# Altium PCB BGA_faser_v2.PcbDoc (part 4 of 5)
Units mil, origin at the board's own origin, x right, y up, seen from the top; angles counter-clockwise.
Board outline 2637.8 x 3937.01 mil, 6 copper layers (Top Layer, GND1, Layer 3, PWR, GND2, Bottom Layer), stack 32.112 mil thick; 367 components, 429 nets, 2041 pads, 1008 vias.
Unrouted connection lines stored in the file: 107.
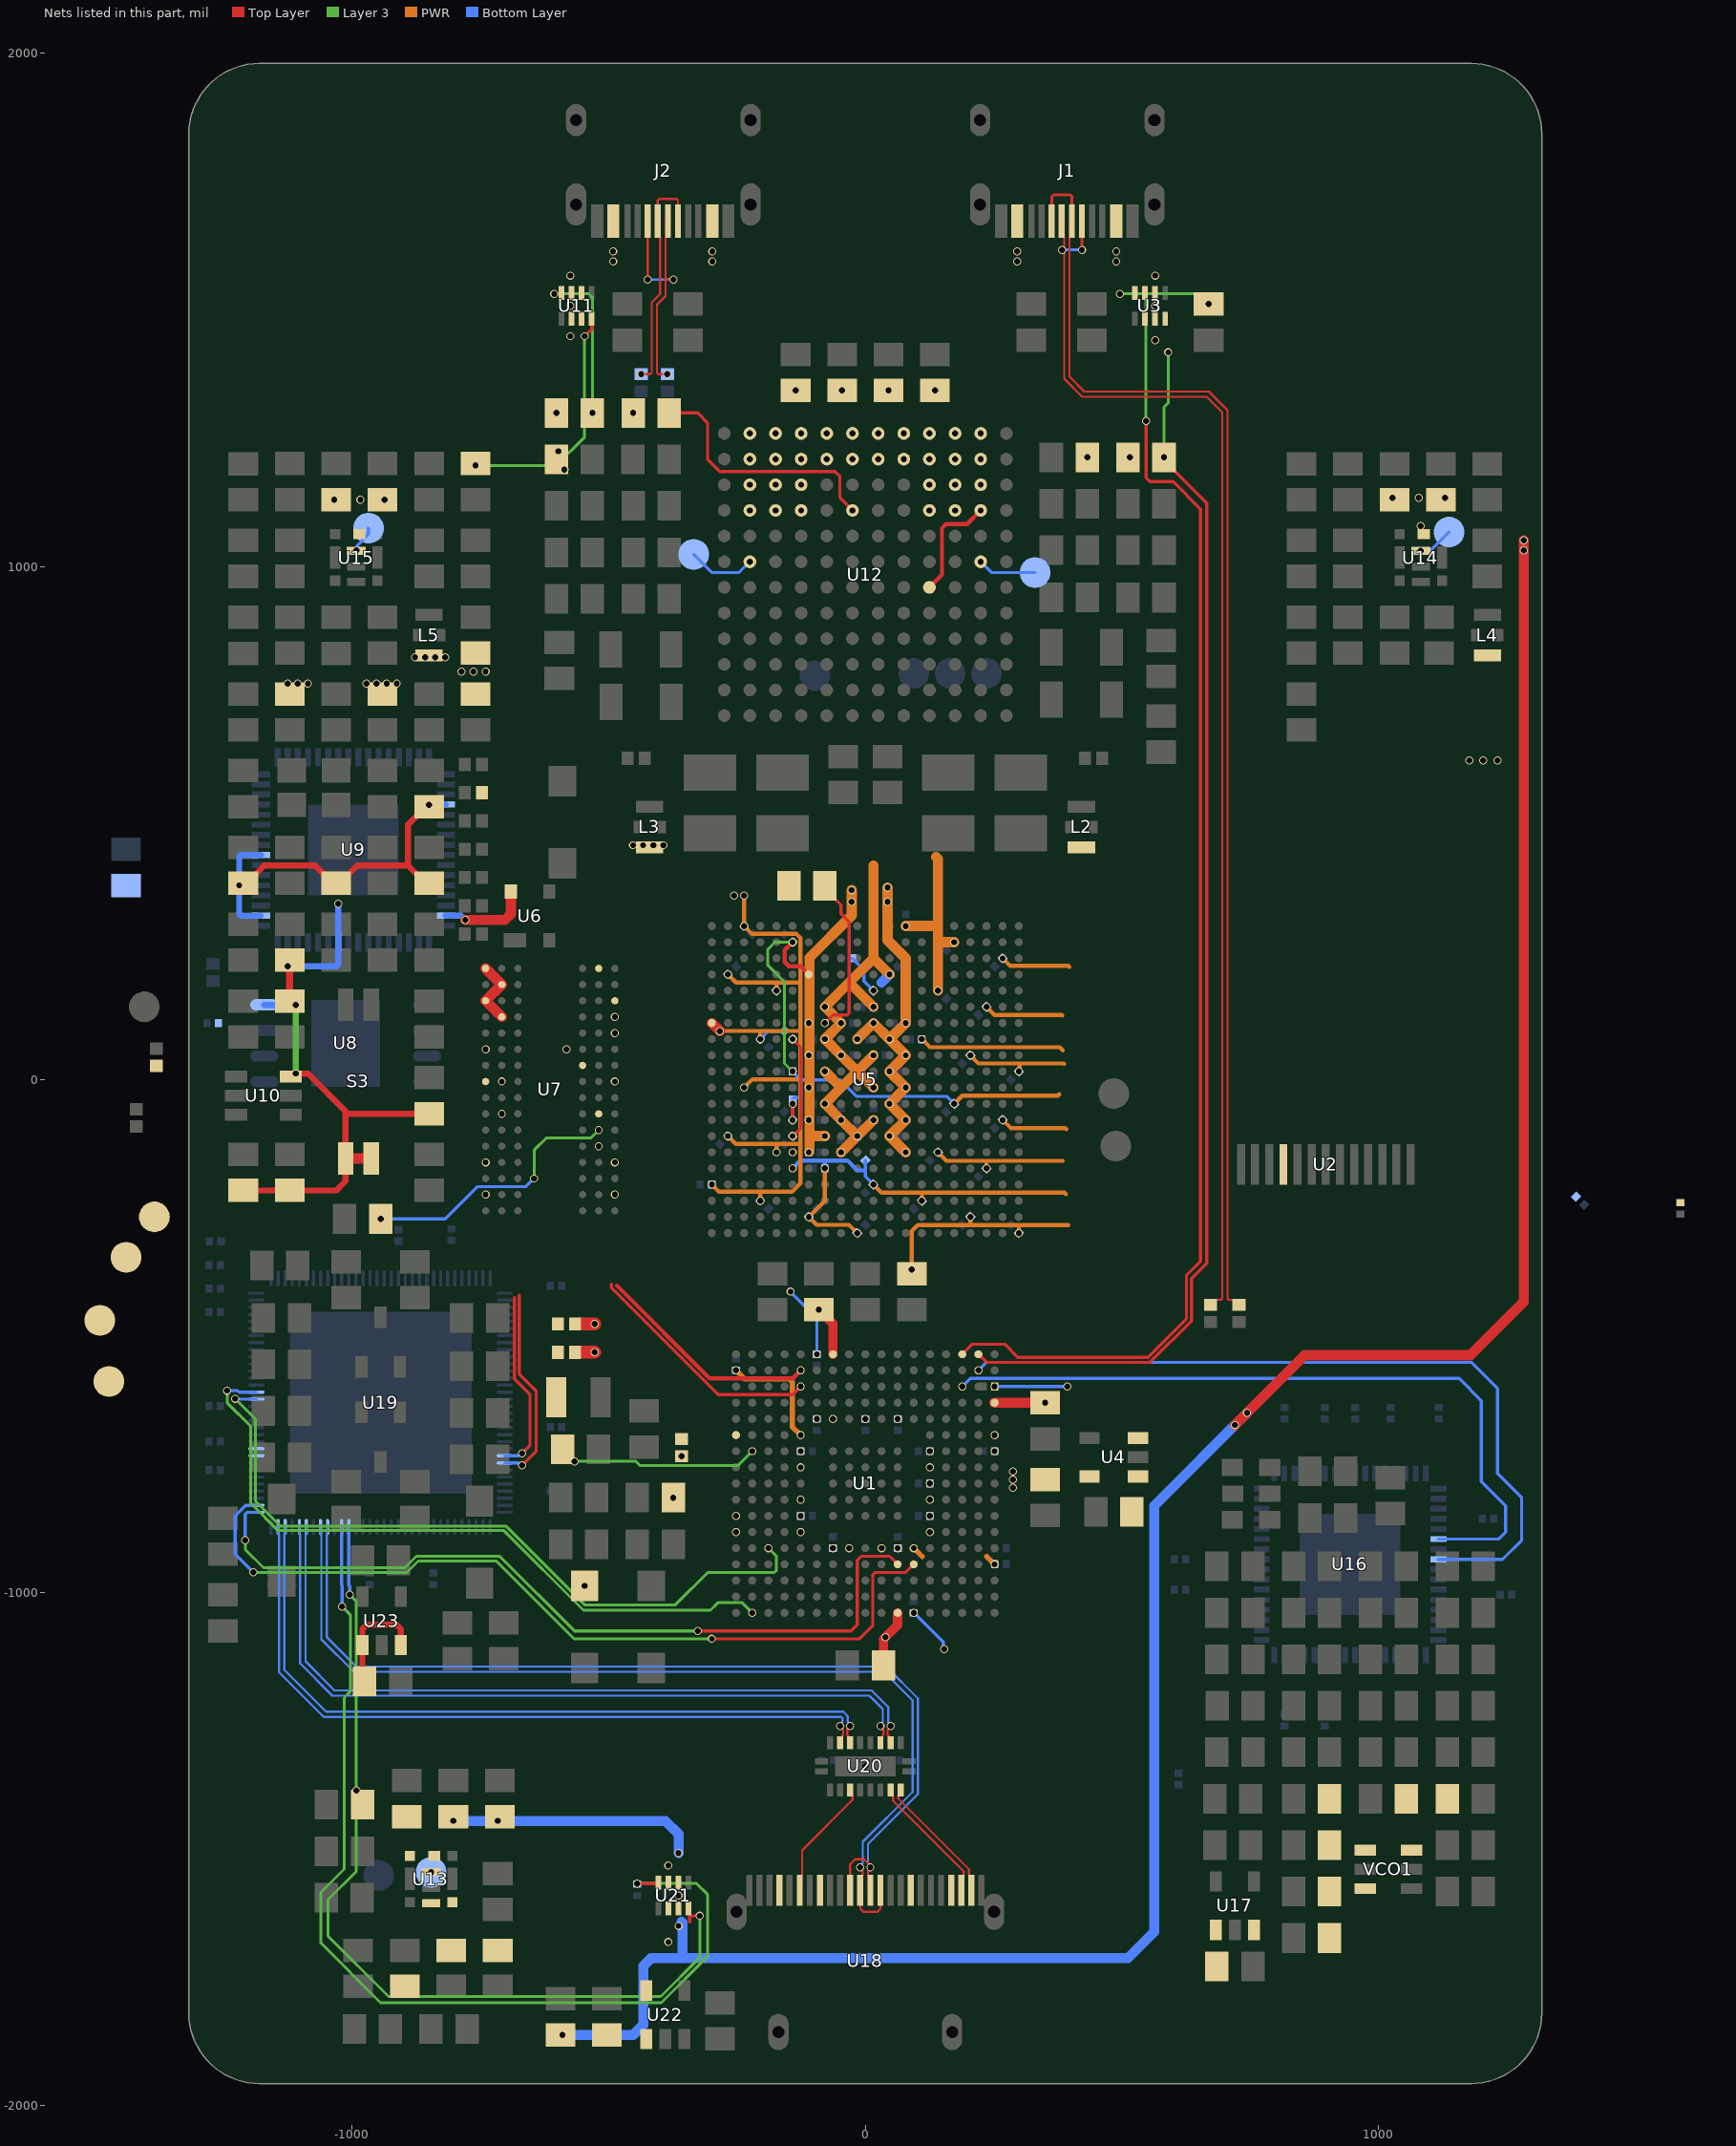
[diagram p8: the nets of this part, all layers, seen from the top]

## Via types
v1: diameter 15.75, hole 11.81, Top Layer to Bottom Layer, 1000 vias
v2: diameter 236.22, hole 118.11, Top Layer to Bottom Layer, 4 vias
v3: diameter 20, hole 14, Top Layer to Bottom Layer, tented both sides, 2 vias
v4: diameter 196.85, hole 157.48, Top Layer to Bottom Layer, 2 vias

## Nets (pads, with @x,y where several pads share a name; then routed paths per layer and width w, separated by ;. In a path a pad name is that pad's centre, name@x,y a point inside that pad or via, vN(x,y) a via of type N, cw(c..) or ccw(c..) an arc to the next point about the centre after c; other vN are vias at no path point) (continued)
SSB0_p: U18.B11 U20.13 | length 240.3
  Top Layer w4.29: U18.B11@-127.95,-1580.31 -124.19,-1576.55 -124.19,-1550.88 -123.26,-1549.95 -123.26,-1502.3 -24.83,-1403.88 -24.83,-1397.81 -25.77,-1396.87 -25.77,-1388.41 U20.13@-29.53,-1384.65
SSB1_n: U18.A10 U20.17 | length 256.6
  Top Layer w4.29: U20.17@49.21,-1384.65 52.97,-1388.41 52.97,-1396.87 53.91,-1397.81 53.91,-1405.68 191.71,-1543.47 191.71,-1549.95 190.77,-1550.88 190.77,-1576.55 U18.A10@187.01,-1580.31
SSB1_p: U18.A11 U20.18 | length 256.6
  Top Layer w4.29: U20.18@68.9,-1384.65 65.14,-1388.41 65.14,-1396.87 64.2,-1397.81 64.2,-1401.42 202,-1539.21 202,-1549.95 202.93,-1550.88 202.93,-1576.55 U18.A11@206.69,-1580.31
SSP3V3: C110.2 U13.1
STATUS: U1.C15 U16.6 | length 1448.4
  Bottom Layer w6.16: v1(188.98,-598.43) 204.72,-582.68 1157.48,-582.68 1200.79,-625.98 1200.79,-783.46 1248.03,-830.71 1248.03,-881.89 1234.25,-895.67 U16.6@1117.13,-895.67
SW1: TP12.1 U12.G2 | length 133
  Bottom Layer w6.16: TP12.1@-334.65,1023.62 -299.21,988.19 -246.06,988.19 v1(-225,1009.25)
SW2: TP13.1 U12.G11 | length 114.4
  Bottom Layer w6.16: v1(225,1009.25) 246.06,988.19 TP13.1@330.71,988.19
SW3: TP14.1 U14.9 | length 70.2
  Bottom Layer w6.16: v1(1082.68,1030.51) 1101.37,1030.51 TP14.1@1137.8,1066.93
SW4: TP15.1 U15.9 | length 53.1
  Bottom Layer w6.16: v1(-992.13,1031.5) -990.29,1033.33 -990.29,1041.1 -968.5,1062.88 TP15.1@-968.5,1074.8
SWPLL: TP7.1 U13.9
  other v1: -846.46,-1545.08
SYNCn: U1.B16 U16.8 | length 1532.3
  Bottom Layer w6.16: v1(220.47,-566.93) 236.22,-551.18 1181.1,-551.18 1232.28,-602.36 1232.28,-767.72 1279.53,-814.96 1279.53,-897.64 1242.13,-935.04 U16.8@1117.13,-935.04
TEMP: R68.1 U12.J6 | length 502.2
  Top Layer w6.16: R68.1@-382.28,1299.21 -326.77,1299.21 -307.63,1280.08 -307.63,1208.77 -283.9,1185.04 -59.06,1185.04 -49.61,1175.59 -49.61,1133.86 v1(-25,1109.25)
TUNE: C152.2 R105.1 VCO1.3
U1_RX: TP16.1 U19.89 | length 392.3
  Top Layer w6.16: -674.38,-420.11 -674.38,-573.66 -641.73,-606.3 -641.73,-724.41 v1(-669.29,-751.97)
  Bottom Layer w6.16: U19.89@-702.76,-747.05 -676.81,-747.05 -671.89,-751.97 v1(-669.29,-751.97)
U1_TX: TP17.1 U19.88 | length 357.8
  Top Layer w6.16: -684.04,-425.2 -684.04,-583.68 -653.54,-614.17 -653.54,-712.6 v1(-669.29,-728.35)
  Bottom Layer w6.16: U19.88@-702.76,-733.27 -676.81,-733.27 -671.89,-728.35 v1(-669.29,-728.35)
U1D_n: J2.5 J2.7 R39.1 | length 448.9
  Top Layer w4.29: v1(-437.01,1375) -419.08,1375 -416.56,1377.51 -416.56,1514.37 -399.83,1531.11 -399.83,1640.58 -400.77,1641.51 -400.77,1669.47 J2.7@-404.53,1673.23 -404.53,1713.58 -401.57,1716.54 -367.67,1716.54 -365.16,1714.02 J2.5@-365.16,1673.23
U1D_p: J2.6 J2.8 R40.1 | length 506
  Top Layer w4.29: v1(-424.21,1559.06) J2.8@-424.21,1673.23 ; v1(-385.83,1375) -403.76,1375 -406.27,1377.51 -406.27,1510.11 -389.54,1526.84 -389.54,1559.06 ; J2.6@-384.84,1673.23 -388.6,1669.47 -388.6,1641.51 -389.54,1640.58 -389.54,1559.06 ; v1(-374.02,1559.06) -389.54,1559.06
  Bottom Layer w4.29: v1(-424.21,1559.06) v1(-374.02,1559.06)
U5_RX: U1.P11 U19.1 | length 1588.7
  Top Layer w6.16: v1(-326.77,-1074.8) -27.56,-1074.8 -15.75,-1062.99 -15.75,-937.01 -7.87,-929.13 47.24,-929.13 U1.P11@62.99,-944.88
  Layer 3 w5.61: v1(-1208.66,-897.64) -1208.66,-916.09 -1173.23,-951.52 -897.47,-951.52 -875.09,-929.13 -712.6,-929.13 -566.93,-1074.8 v1(-326.77,-1074.8)
  Bottom Layer w6.16: v1(-1208.66,-897.64) -1208.66,-847.14 -1205.05,-843.53 U19.1@-1187.01,-843.5
U5_TX: U1.P12 U19.2 | length 1652.2
  Top Layer w6.16: v1(-299.21,-1090.06) -11.32,-1090.06 14.45,-1064.29 14.45,-965.86 19.68,-960.63 78.74,-960.63 U1.P12@94.49,-944.88
  Layer 3 w5.61: v1(-1192.91,-960.63) -893.7,-960.63 -871.31,-938.24 -719.24,-938.24 -567.42,-1090.06 v1(-299.21,-1090.06)
  Bottom Layer w6.16: v1(-1192.91,-960.63) -1228.35,-925.2 -1228.35,-850.39 -1207.7,-829.75 U19.2@-1187.01,-829.72
U8_RX: U1.N3 U19.17 | length 1434.3
  Layer 3 w5.61: v1(-1228.35,-622.05) -1188.98,-661.42 -1188.98,-821.76 -1140.66,-870.08 -700.79,-870.08 -547.24,-1023.62 -370.08,-1023.62 -307.09,-960.63 -177.17,-960.63 -173.23,-956.69 -173.23,-929.13 v1(-188.98,-913.39)
  Bottom Layer w6.16: v1@-1228.35,-623.03 U19.17@-1187.01,-623.03
U8_TX: U1.U2 U19.18 | length 1374.8
  Layer 3 w5.61: v1(-1244.09,-606.3) -1244.09,-629.75 -1198.09,-675.76 -1198.09,-825.54 -1144.43,-879.19 -704.56,-879.19 -549.55,-1034.2 -301.91,-1034.2 -287.4,-1019.69 -240.16,-1019.69 v1(-220.47,-1039.37)
  Bottom Layer w6.16: v1(-1244.09,-606.3) -1223.36,-606.3 -1220.41,-609.25 U19.18@-1187.01,-609.25
UART1_RX: TP2.1 U1.C5 | length 468.7
  Top Layer w6.16: -494.83,-398.87 -494.83,-405.96 -286.62,-614.17 -141.74,-614.17 v1(-125.99,-598.42)
UART1_TX: TP1.1 U1.B5 | length 439.5
  Top Layer w8: -484.25,-401.57 -303.52,-582.31 -184.1,-582.31 -141.36,-582.31 v1(-125.99,-566.93)
USB_FS_n: J1.5 J1.7 R3.2 | length 2493.7
  Top Layer w4.29: J1.7@382.87,1673.23 386.63,1669.47 386.63,1641.51 387.57,1640.58 387.57,1365.82 422.68,1330.71 665.35,1330.71 695.64,1300.42 695.64,-247.03 695.64,-426.8 693.13,-429.31 682.89,-429.31 R3.2@673.23,-438.98
  Top Layer w5.59: v1(422.24,1617.13) J1.5@422.24,1673.23
  Bottom Layer w5.59: v1(383.86,1617.13) v1(422.24,1617.13)
USB_FS_p: J1.6 J1.8 R4.2 | length 2536.7
  Top Layer w4.29: J1.6@402.56,1673.23 398.8,1669.47 398.8,1641.51 397.86,1640.58 397.86,1370.08 426.94,1341 669.62,1341 705.93,1304.68 705.93,1102.36 705.93,-251.3 705.93,-426.8 708.45,-429.31 718.68,-429.31 R4.2@728.35,-438.98
  Top Layer w5.59: J1.8@363.19,1673.23 363.19,1720.47 367.13,1724.41 399.28,1724.41 402.56,1721.13 J1.6@402.56,1673.23
USBD_n: U18.A7 U18.B7 U19.121 | length 1953.5
  Top Layer w4.29: v1(-9.84,-1535.43) -9.84,-1538.53 -5.15,-1543.23 -5.15,-1549.95 -6.08,-1550.88 -6.08,-1576.55 U18.B7@-9.84,-1580.31 -9.84,-1616.14 -3.94,-1622.05 23.62,-1622.05 29.53,-1616.14 U18.A7@29.53,-1580.31
  Bottom Layer w4.29: U19.121@-1062.01,-872.05 -1062.01,-885.19 -1060.26,-886.93 -1060.26,-1090.88 -996.62,-1154.52 36.41,-1154.52 92.07,-1210.18 92.07,-1388.24 -5.15,-1485.46 -5.15,-1527.64 -9.84,-1532.33 v1(-9.84,-1535.43)
USBD_p: U18.A6 U18.B6 U19.120 | length 1940.1
  Top Layer w4.29: U18.A6@-29.53,-1580.31 -29.53,-1529.53 -19.69,-1519.69 -2.81,-1519.69 9.84,-1532.33 v1(9.84,-1535.43) 9.84,-1538.53 5.14,-1543.23 5.14,-1549.95 6.08,-1550.88 6.08,-1576.55 U18.B6@9.84,-1580.31
  Bottom Layer w4.29: U19.120@-1048.23,-872.05 -1048.23,-885.19 -1049.97,-886.93 -1049.97,-1086.61 -992.36,-1144.23 40.67,-1144.23 102.36,-1205.92 102.36,-1392.51 5.14,-1489.72 5.14,-1527.64 9.84,-1532.33 v1(9.84,-1535.43)
USBSS_R_n: U19.126 U20.6 | length 1473.8
  Top Layer w4.29: U20.6@-29.53,-1292.52 -33.29,-1288.76 -33.29,-1280.29 -34.23,-1279.36 -34.23,-1277.32 -35.48,-1276.07 -35.48,-1268.08 -29.53,-1262.14 v1(-29.53,-1259.84)
  Bottom Layer w4.29: U19.126@-1130.91,-872.05 -1130.91,-885.19 -1132.65,-886.93 -1132.65,-1150.81 -1051.18,-1232.28 -42.77,-1232.28 -34.23,-1240.82 -34.23,-1252.04 -29.53,-1256.74 v1(-29.53,-1259.84)
USBSS_R_p: U19.127 U20.7 | length 1473.8
  Top Layer w4.29: U20.7@-49.21,-1292.52 -45.45,-1288.76 -45.45,-1280.29 -44.52,-1279.36 -44.52,-1277.32 -43.27,-1276.07 -43.27,-1268.08 -49.21,-1262.14 v1(-49.21,-1259.84)
  Bottom Layer w4.29: U19.127@-1144.69,-872.05 -1144.69,-885.19 -1142.94,-886.93 -1142.94,-1155.08 -1055.44,-1242.57 -47.03,-1242.57 -44.52,-1245.09 -44.52,-1252.04 -49.21,-1256.74 v1(-49.21,-1259.84)
USBSS_T_n: U19.123 U20.2 | length 1511.7
  Top Layer w4.29: U20.2@49.21,-1292.52 45.45,-1288.76 45.45,-1280.29 44.51,-1279.36 44.51,-1277.32 43.27,-1276.07 43.27,-1268.08 49.21,-1262.14 v1(49.21,-1259.84)
  Bottom Layer w4.29: U19.123@-1089.57,-872.05 -1089.57,-885.19 -1091.31,-886.93 -1091.31,-1133.86 -1034.67,-1190.5 12.14,-1190.5 44.52,-1222.88 44.52,-1252.04 49.21,-1256.74 v1(49.21,-1259.84)
USBSS_T_p: U19.124 U20.3 | length 1511.7
  Top Layer w4.29: U20.3@29.53,-1292.52 33.29,-1288.76 33.29,-1280.29 34.22,-1279.36 34.22,-1277.32 35.48,-1276.07 35.48,-1268.08 29.53,-1262.14 v1(29.53,-1259.84)
  Bottom Layer w4.29: U19.124@-1103.35,-872.05 -1103.35,-885.19 -1101.6,-886.93 -1101.6,-1138.12 -1038.93,-1200.79 7.87,-1200.79 34.23,-1227.14 34.23,-1252.04 29.53,-1256.74 v1(29.53,-1259.84)
VBUS: U18.A4 U18.A9 U18.B4 U18.B9 U21.3 U21.6
  other v1: -383.86,-1681.1 -383.86,-1531.5
VBUS_ON: R112.2 U19.118 U21.4 | length 1990.3
  Top Layer w6.16: v1(-444.88,-1566.93) -405.12,-1566.93 U21.4@-403.55,-1565.35
  Layer 3 w5.61: v1(-1019.69,-1027.56) -1003.94,-1043.31 -1003.94,-1192.91 -1015.75,-1204.72 -1015.75,-1538.72 -1061.42,-1584.39 -1061.42,-1682.67 -944.88,-1799.21 -397.64,-1799.21 -307.09,-1708.66 -307.09,-1588.58 -328.74,-1566.93 v1(-444.88,-1566.93)
  Bottom Layer w6.16: U19.118@-1020.67,-872.05 -1020.67,-985.12 -1019.69,-986.1 v1(-1019.69,-1027.56)
VBUS_ON_S: R111.1 U19.117 U21.8 | length 1743.5
  Top Layer w6.16: -342.52,-1641.73 -342.52,-1630.78 -341.66,-1629.92 v1(-322.83,-1629.92)
  Layer 3 w5.61: v1(-1005.23,-1003.94) -992.13,-1017.04 v1(-992.13,-1385.83) -992.13,-1543.31 -1047.24,-1598.43 -1047.24,-1669.29 -929.13,-1787.4 -398.71,-1787.4 -322.83,-1711.53 v1(-322.83,-1629.92)
  Bottom Layer w6.16: U19.117@-1006.89,-872.05 -1006.89,-985.24 -1005.3,-986.82 -1005.3,-1003.87 v1(-1005.23,-1003.94)
VCAP: C23.1 C24.1 C25.1 R11.1 U1.A7 U1.D17 U1.U11 | length 350.2
  Top Layer w18: v1(-90.55,-448.43) -84.45,-448.43 -70.61,-462.26 -70.61,-468.36 -62.99,-475.98 U1.A7@-62.99,-535.43 ; C23.1@35.43,-1146.06 35.43,-1090.55 v1(39.37,-1086.61) 62.99,-1062.99 U1.U11@62.99,-1039.37
  Top Layer w20: U1.D17@251.97,-629.92 350,-629.92 C24.1@350.39,-630.31
  Top Layer w25: R11.1@-559.06,-531.5 v1(-527.56,-531.5)
  other v1: 350.39,-629.92
VCC: C99.2 C100.2 C101.2 C102.2 C105.2 C106.2 C117.2 C118.2 C123.2 C124.2 C176.2 R7.1 R46.1 R58.1 R68.2 R69.2 U3.2 U3.7 U11.2 U11.7 U12.F9 U12.J2 U12.J3 U12.J4 U12.J9 U12.J10 U12.J11 U12.K2 U12.K3 U12.K4 U12.K9 U12.K10 U12.K11 U12.L2 U12.L3 U12.L4 U12.L5 U12.L6 U12.L7 U12.L8 U12.L9 U12.L10 U12.L11 U12.M2 U12.M3 U12.M4 U12.M5 U12.M6 U12.M7 U12.M8 U12.M9 U12.M10 U12.M11 U13.8 U14.8 U15.8 U21.2 U21.7 U22.5 | length 5307.1
  Top Layer w8: U12.F9@125,959.65 125.39,959.65 149.61,983.86 149.61,1074.8 157.48,1082.68 198.43,1082.68 v1(225,1109.25)
  Top Layer w20: v1(720.47,-673.23) 856.3,-537.4 1179.13,-537.4 1283.46,-433.07 v1(1283.46,1051.18)
  Bottom Layer w19.68: v1(-803.15,-1444.88) v1(-716.54,-1444.88) -389.76,-1444.88 -364.17,-1470.47 v1(-364.17,-1507.87) ; v1(-590.55,-1862.2) -452.76,-1862.2 -433.07,-1842.52 -433.07,-1728.35 -417.32,-1712.6 511.81,-1712.6 562.99,-1661.42 562.99,-830.71 v1(744.09,-649.61) ; -358.27,-1641.73 -356.3,-1643.7 -356.3,-1708.66
  other v1: -364.17,-1649.61 -364.17,-1590.55 1283.46,1031.49 1082.68,1078.74 -225,1109.25 -175,1109.25 -125,1109.25 125,1109.25 175,1109.25 -1035.43,1129.92 -984.25,1129.92 -937.01,1129.92 1027.56,1133.86 1078.74,1133.86 1129.92,1133.86 -225,1159.25 -175,1159.25 -125,1159.25 125,1159.25 175,1159.25 225,1159.25 -586.61,1188.98 -225,1209.25 -175,1209.25 -125,1209.25 -75,1209.25 -25,1209.25 25,1209.25 75,1209.25 125,1209.25 175,1209.25 225,1209.25 433.07,1212.6 515.75,1212.6 -598.43,1224.41 -225,1259.25 -175,1259.25 -125,1259.25 -75,1259.25 -25,1259.25 25,1259.25 75,1259.25 125,1259.25 175,1259.25 225,1259.25 -601.97,1299.21 -452.76,1299.21 -135.83,1342.91 -45.28,1342.91 45.28,1342.91 135.83,1342.91 564.96,1440.94 -574.8,1448.82 -574.8,1507.87 564.96,1507.87 -574.8,1566.93 564.96,1566.93
VCC_1V0: C26.2 C27.2 C28.2 C29.2 C30.2 C31.2 C32.2 C33.2 C34.2 C35.2 L2.3 U5.G7 U5.G11 U5.G13 U5.H10 U5.H12 U5.J7 U5.J13 U5.K12 U5.L7 U5.L13 U5.M12 U5.N7 U5.N13 U5.P8 U5.P12 U5.R7 U5.R13 | length 1398.9
  PWR w8: v1(-110.24,-141.73) v1(-110.24,-78.74) -110.24,-40.35
  PWR w20: v1@-108.86,-140.35 -108.86,-110.24 -108.86,237.6 -26.57,319.88 v1(-26.57,346.46) v1(-26.57,369.09) ; -108.86,-110.24 v1(-78.74,-110.24) ; v1(-15.75,78.74) v1(15.75,110.24) v1(47.24,78.74) ; v1(43.31,374.02) v1(43.31,346.46) 43.31,271.65 78.74,236.22 v1(78.74,110.24) v1(47.24,78.74) ; v1(47.24,-110.24) v1(78.74,-141.74) ; v1(47.24,-110.24) v1(78.74,-78.74) v1(47.24,-47.24) v1(78.74,-15.75) v1(47.24,15.75) v1(78.74,47.24) v1(47.24,78.74)
  other v1: -110.24,-15.75 -110.24,47.24 -110.24,110.24
VCC_1V5: C72.2 C73.2 C74.2 C75.2 C76.2 C77.2 C79.2 C80.2 C81.2 L4.3 R12.2 R27.1 U5.A3 U5.D2 U5.E5 U5.G1 U5.H4 U5.L3 U5.P2 U5.R5 U5.U1 U5.V4 U7.A1 U7.A8 U7.B2 U7.C1 U7.C9 U7.D2 U7.D9 U7.E9 U7.F1 U7.G7 U7.H2 U7.H9 U7.K2 U7.K8 U7.N1 U7.N9 U7.R1 U7.R9 | length 1685.4
  Top Layer w20: U7.A1@-740.15,216.53 -708.66,185.04 U7.C1@-740.15,153.54 U7.D2@-708.66,122.04 ; U5.G1@-299.21,110.23 v1(-283.46,94.49)
  PWR w8: v1(-299.21,-204.72) -285.2,-218.74 -204.72,-218.74 ; v1@-284.45,94.49 v1(-283.46,94.49) -204.72,94.49 ; v1(-267.72,-110.24) -252.34,-125.61 -173.23,-125.61 ; v1(-267.72,204.72) -251.97,188.98 -173.23,188.98 ; v1(-236.22,-15.75) -220.1,0.37 -127.72,0.37 -126.36,-0.98 ; v1@-236,356 -236.11,355.89 -236.11,299.32 v1(-236.22,299.21) -220.84,283.84 -134.23,283.84 -126.36,275.96 -126.36,188.98 ; v1(-204.72,-236.22) -204.72,-218.74 ; v1(-204.72,78.74) -204.72,94.49 ; v1(-173.23,-141.73) -173.23,-125.61 ; v1(-173.23,173.23) -173.23,188.98 ; -126.36,62.99 -126.36,-0.98 ; -126.36,63.66 -126.36,94.49 ; -204.72,-218.74 -142.95,-218.74 -126.36,-202.15 -126.36,-126.97 ; -204.72,94.49 -126.36,94.49 ; -173.23,-125.61 -127.72,-125.61 -126.36,-126.97 ; -173.23,188.98 -126.36,188.98 ; -126.36,-126.97 -126.36,-0.98 ; -126.36,94.49 -126.36,188.98
  Bottom Layer w6.16: v1(-204.72,78.74) -189.41,94.05 -158.16,94.05 R12.2@-157.6,94.61
  other v1: -740.15,-224.41 -488.19,-224.41 -740.15,-161.42 -488.19,-161.42 -708.66,-66.93 -708.66,-3.94 -488.19,-3.94 -740.16,59.06 -582.68,59.06 -488.19,90.55 -488.19,122.05 -255.91,358.27 -236,358.27 1177.17,622.05 1204.72,622.05 1232.28,622.05
VCC_1V8: C36.2 C37.2 C38.2 C39.2 C40.2 C41.2 C42.2 C43.2 C44.2 C45.2 C46.2 C47.2 C48.2 C49.2 C50.2 FB2.2 L3.3 R21.2 R30.2 U5.A13 U5.B16 U5.D12 U5.E15 U5.F8 U5.F11 U5.G9 U5.H8 U5.J9 U5.J11 U5.K8 U5.L11 U5.M8 U5.N9 U5.N11 U5.P10 U5.R9 | length 1417.1
  PWR w20: v1(-78.74,15.75) -47.24,-15.75 ; v1(-47.25,-141.74) v1(-15.75,-110.24) ; v1(15.75,-78.74) v1(-15.75,-110.24) ; v1(15.75,-15.75) -15.75,15.74 ; v1(15.75,47.24) -15.75,15.74 ; v1(15.75,141.73) -31.49,188.98 ; 15.75,417.32 15.75,236.22 ; v1(47.24,204.72) 15.75,236.22 ; v1(78.74,299.21) 141.73,299.21 141.73,331.69 ; 137.8,434.06 141.73,430.12 141.73,331.69 ; v1(141.73,173.23) 141.73,268.7 ; v1(173.23,267.72) 142.72,267.72 141.73,268.7 ; -47.24,-15.75 -15.75,15.74 ; -47.24,-15.75 v1(-78.74,-47.25) v1(-47.25,-78.74) v1(-15.75,-110.24) ; -31.5,188.98 15.75,236.22 ; -31.5,188.98 v1(-78.74,141.73) v1(-47.25,110.23) v1(-78.74,78.74) v1(-47.25,47.24) -15.75,15.74 ; 141.73,268.7 141.73,331.69
  Bottom Layer w20: R21.2@31.62,189.1 v1(47.24,204.72)
  other v1: -452.76,456.69 -433.07,456.69 -413.39,456.69 -393.7,456.69
VCC_3V3: C51.2 C52.2 C53.2 C54.2 C55.2 C56.2 C57.2 C58.2 C59.2 C60.2 C61.2 C62.2 C63.2 C64.2 C65.2 C66.2 C67.2 C68.2 C69.2 C70.2 C71.2 C82.2 C83.2 C84.2 C85.2 C86.2 C87.2 D2.A FB3.2 FB4.2 L5.3 R15.1 R16.1 R26.2 R29.2 R31.2 R32.2 R42.1 S3.1 S3.2 U5.B6 U5.C19 U5.D7 U5.F18 U5.H14 U5.J17 U5.K6 U5.K20 U5.M6 U5.M16 U5.N6 U5.N19 U5.R6 U5.R15 U5.T6 U5.T8 U5.T18 U5.U11 U5.V14 U5.W7 U5.W17 U5.Y10 U5.Y20 U6.4 U8.8 U9.20 U9.31 U9.42 U9.50 U9.56 U10.6 | length 5621
  Top Layer w6.16: C83.2@-1212.6,382.28 C83.2@-1206.5,382.28 ; C84.2@-1037.6,382.28 C84.2@-1031.5,382.28 C84.2@-1025.39,382.28
  Top Layer w8: v1(-141.73,-78.74) v1(-141.73,-47.24) ; v1(-141.73,267.72) -157.1,252.34 -157.1,228.96 -148.86,220.71 -126.23,220.71 U5.D7@-110.24,204.72
  Top Layer w11.81: R31.2@-1212.6,-216.14 -1031.1,-216.14 -1013.19,-198.23 S3.1@-1013.19,-153.94 -1013.19,-61.61 ; v1(-1110.24,11.81) -1109.48,11.06 -1085.86,11.06 -1013.19,-61.61 ; C82.2@-850.39,-66.54 -1008.27,-66.54 -1013.19,-61.61
  Top Layer w12: C83.2@-1206.5,382.28 -1171.46,417.32 -1072.64,417.32 C84.2@-1037.6,382.28 ; C84.2@-1025.39,382.28 -990.35,417.32 -891.54,417.32 ; C85.2@-866.37,522.01 -891.54,496.85 -891.54,417.32 ; C87.2@-856.5,382.28 -891.54,417.32
  Top Layer w14: R32.2@-1122.05,153.15 C86.2@-1122.05,232.68
  Top Layer w20: S3.1@-1013.19,-153.94 S3.2@-963.19,-153.94 ; v1(-779.53,311.02) -702.66,311.02 -690.94,322.74 U6.4@-690.94,366.14
  Layer 3 w5.61: v1(-141.73,15.75) -157.48,31.5 -157.48,189.96 -189.96,222.44 -189.96,253.94 -176.18,267.72 v1(-141.73,267.72)
  Layer 3 w12: v1(-1110.24,11.81) v1(-1110.24,145.67)
  PWR w8: v1(-78.74,-173.23) -78.74,-236.22 v1(-110.24,-267.72) -94.86,-283.09 -31.87,-283.09 v1(-15.75,-299.21) ; v1(15.75,-204.72) 31.5,-220.47 110.24,-220.47 ; v1(90.55,-370.08) 90.55,-295.28 102.36,-283.46 204.72,-283.46 ; v1(110.24,-236.22) 110.24,-220.47 ; v1(110.24,78.74) 125.98,62.99 378.94,62.99 384.84,57.09 ; v1(141.73,-141.73) 158.46,-158.46 236.22,-158.46 ; v1(173.23,-47.24) 188.98,-31.5 375,-31.5 377.95,-28.54 ; v1(204.72,-267.72) 204.72,-283.46 ; v1(204.72,47.24) 220.47,31.5 303.64,31.5 ; v1(236.22,-173.23) 236.22,-158.46 ; v1(236.22,141.73) 251.97,125.98 382.87,125.98 383.86,125 ; v1(267.72,-78.74) 283.46,-94.49 389.76,-94.49 391.73,-96.46 ; v1(267.72,236.22) 282.48,221.46 395.67,221.46 397.64,219.49 ; v1(299.21,-299.21) 299.21,-283.46 ; v1(299.21,15.75) 300.7,17.23 300.7,28.55 303.64,31.5 ; 384.84,-158.46 236.22,-158.46 ; 387.8,30.51 386.81,31.5 303.64,31.5 ; 390.75,-223.43 387.8,-220.47 110.24,-220.47 ; 395.67,-283.46 299.21,-283.46 ; 204.72,-283.46 299.21,-283.46
  Bottom Layer w6.16: U9.50@-1178.76,318.9 U9.50@-1178.16,319.49 ; U9.20@-818.22,535.73 U9.20@-817.92,536.02 ; R16.1@-141.73,-38.19 -138.98,-35.43 -129.92,-35.43 -125.98,-31.5 -125.98,-0.79 ; v1(-141.73,15.75) -141.73,14.96 -125.98,-0.79 ; -0.44,-177.17 -0.44,-158.16 R15.1@0.12,-157.6 0.12,-189.09 v1(15.75,-204.72) ; v1(173.23,-47.24) 158.77,-32.79 -17.41,-32.79 -49.41,-0.79 -125.98,-0.79
  Bottom Layer w8: v1(-141.73,-173.23) -126.36,-157.85 -76.77,-157.85 ; v1(-78.74,-173.23) -78.74,-159.82 -76.77,-157.85 ; -0.44,-177.17 -15.75,-177.17 -35.06,-157.85 -76.77,-157.85
  Bottom Layer w12: U9.50@-1178.76,318.9 -1216.54,318.9 -1220.47,322.83 v1(-1220.47,378.41) -1220.47,433.99 -1216.86,437.6 U9.56@-1178.16,437.6 ; U8.8@-1171.53,145.67 v1(-1110.24,145.67) ; v1(-1125.98,220.47) -1031.5,220.47 -1027.56,224.41 U9.42@-1027.56,267.31 ; U9.42@-1027.57,267.32 v1@-1027.57,342.51 ; v1@-850.39,536.02 U9.20@-818.22,536.02
  Bottom Layer w12.13: U9.31@-817.92,319.49 -788.3,319.49 -779.83,311.02 v1(-779.53,311.02)
  other v1: -141.73,-141.73 -1027.56,342.52 -850.39,535.43 -1125.98,771.65 -1106.3,771.65 -1086.61,771.65 -972.44,771.65 -952.76,771.65 -933.07,771.65 -913.39,771.65 -787.4,795.28 -763.78,795.28 -740.16,795.28 -877.95,822.83 -858.27,822.83 -838.58,822.83 -818.9,822.83
VCC_5V: C15.2 C107.2 C108.2 C141.2 C177.2 C178.2 R54.2 U4.1 U4.3 U13.4 U13.5 U17.1 U17.3 U22.1 U23.1 U23.3 | length 217
  Top Layer w6.16: C178.2@-980.32,-1168.9 C178.2@-975.98,-1173.23
  Top Layer w11.81: C178.2@-980.32,-1168.9 U23.1@-980.32,-1102.36 -980.32,-1070.87 -972.44,-1062.99 -913.39,-1062.99 -905.51,-1070.87 U23.3@-905.51,-1102.36
VCCPLL: FB2.1 U5.G8 | length 323
  Top Layer w6.16: v1(-78.74,110.23) -62.99,125.98 -35.43,125.98 -31.5,129.92 -31.5,307.09 -47.24,322.83 -47.24,340.35 -78.74,371.85 FB2.1@-78.74,377.95
VCO_N: C151.2 R103.1 VCO1.4
VCO_P: C149.2 R101.2 VCO1.6
VDD_LDO: C19.1 C20.1 C21.1 R10.1 U1.A6 U1.C17 U1.U12 | length 408.3
  Top Layer w25: R10.1@-555.12,-476.38 v1(-527.56,-476.38)